# Altium PCB EVK-NORA-W1.PcbDoc (part 2 of 4)
Units mil, origin at the board's own origin, x right, y up, seen from the top; angles counter-clockwise.
Board outline 4300 x 2200 mil, 4 copper layers (L1, L2, L3, L4), stack 60.631 mil thick; 303 components, 180 nets, 998 pads, 676 vias.
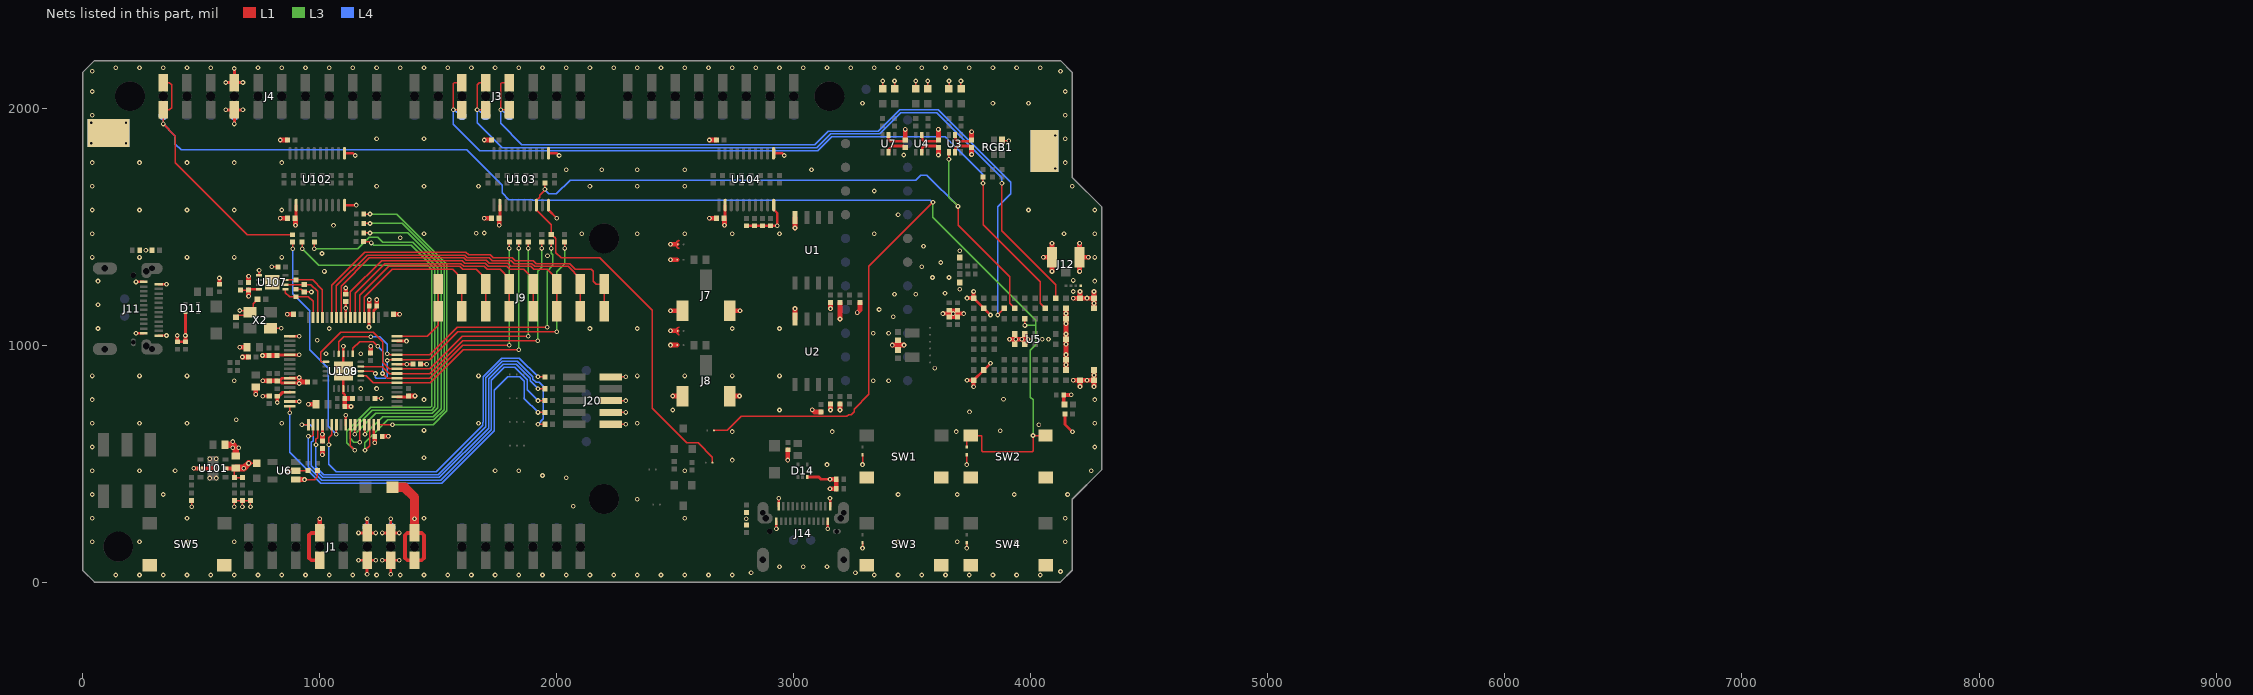
[diagram p4: the nets of this part, all layers, seen from the top]

## Part data
C1 C2 C3 C5 C7 C10 C12 C13 C14 C15 C17 C19 C20 C21 C22 C23 C24 C25 C26 C27 C28 C29 C33 C34 C35 C39 C40 C41 C46 C50 C60 C61: library part 120-00016, "Cap, Ceramic 0.1uF 10V 10% X5R 0402", Manufacturer="Murata Electronics North America", Manufacturer 2=Yageo, Manufacturer P/N=GRM155R61A104KA01J, Manufacturer P/N 2=CC0402KRX5R6BB104, Part Name="CAP CER 0.1UF 10V 10% X5R 0402", Supplier Part Number 1=490-6297-1-ND, Temperature Coefficient=X5R, Tolerance="+/- 10%", Voltage=10V, Arena Link=https://app.bom.com/a/GYHPV2L2L43KRMBK?v=spec.summary, Component Mounting Type=SMT, Height=0.55mm, Item_Phase=Production, Part_Type="Ceramic Capacitor", Part Number=120-00016, Pins=2, Revision=0A, Size=0402, Supplier 1=Digi-Key, Supplier 2=Digi-Key, Supplier Part Number 2=311-1336-1-ND, Use in new designs=Yes
C4 C6 C30 C31 C32 C38 C45 C47: library part UBXH01-0000243, "CAP CER X5R 0402 4U7 20% 10V", Manufacturer="Murata Manufacturing Company, Ltd.", Manufacturer P/N=GRM155R61A475MEAA, Max Operating Temp=85°C, Max Voltage=10V, Min Operating Temp=-40°C, Tolerance=20%, Editor=martin.pilik, Env=GREEN, Mfg P/N Datasheet=https://wiki.u-blox.com/bin/view/Generic/Docs/DocumentSummary?index=24302, Mfg P/N Released=Yes, Mfg P/N Split=100, Mfg P/N Status=Active, Part Number=UBXH01-0000243, Part Type=Capacitor, Perferred=PREF, Permitted Use="Volume Products", RefDes=C, Release Data="2021-05-10 12:57:47.325652", Released by=fabrice.bret-dibat, Size=0402, UBX Wiki=https://wiki.u-blox.com/bin/view/Operations/PartDetails?index=24303
C8 C11 C36 C37: library part UBXH01-0004017, "CAP CER C0G 0402 18P 5% 25V", Manufacturer="Murata Manufacturing Company, Ltd.", Manufacturer P/N=GRM1555C1H180JA01, Manufacturer P/N 2=GRM1555C1E180JZ01, Manufacturer P/N 3=GRM1555C1H180JZ01, Max Operating Temp=125°C, Max Voltage=25V, Min Operating Temp=-55°C, Tolerance=5%, Editor=doris.zahnd, Env=ROHS, Manufacturer 2="Murata Manufacturing Company, Ltd.", Manufacturer 3="Murata Manufacturing Company, Ltd.", Mfg P/N Released=Yes, Mfg P/N Released 2=Yes, Mfg P/N Released 3=Yes, Mfg P/N Split=100, Mfg P/N Split 2=0, Mfg P/N Split 3=0, Mfg P/N Status=NRND, Mfg P/N Status 2=Obsolete, Mfg P/N Status 3=Obsolete, Part Number=UBXH01-0004017, Part Type=Capacitor, Perferred=PREF, Permitted Use="Volume Products", RefDes=C, Release Data="2009-12-03 17:48:42.813059", Released by=daniel.hurni, Size=0402, UBX Wiki=https://wiki.u-blox.com/bin/view/Operations/PartDetails?index=5178
C9: library part UBXH01-0023025, "CAP CER X7R 0402 10N 10% 16V", Manufacturer="Murata Manufacturing Company, Ltd.", Manufacturer 2="Samsung Electro-Mechanics", Manufacturer P/N=GRM155R71C103KA01, Manufacturer P/N 2=CL05B103KO5NNNC, Max Operating Temp=125°C, Max Voltage=16V, Min Operating Temp=-55°C, Tolerance=10%, Editor=roland.rust, Env=ROHS, Mfg P/N Datasheet 2=https://wiki.u-blox.com/bin/view/Generic/Docs/DocumentSummary?index=28567, Mfg P/N Released=Yes, Mfg P/N Released 2=Yes, Mfg P/N Split=100, Mfg P/N Split 2=0, Mfg P/N Status=NRND, Mfg P/N Status 2=Active, Part Number=UBXH01-0023025, Part Type=Capacitor, Perferred=PREF, Permitted Use="Volume Products", RefDes=C, Release Data="2021-02-16 13:14:11.218378", Released by=anthony.gergis, Size=0402, UBX Wiki=https://wiki.u-blox.com/bin/view/Operations/PartDetails?index=5491
C16 C18: library part UBXH01-0000310, "CAP CER X7R 0603 10U 20% 10V", Manufacturer="Murata Manufacturing Company, Ltd.", Manufacturer P/N=GRM188Z71A106MA73, Manufacturer P/N 2=GRM188Z71A106KA73, Max Operating Temp=125°C, Max Voltage=10V, Min Operating Temp=-55°C, Tolerance=20%, Editor=michael.hein, Env=ROHS, Manufacturer 2="Murata Manufacturing Company, Ltd.", Mfg P/N Datasheet=https://wiki.u-blox.com/bin/view/Generic/Docs/DocumentSummary?index=26282, Mfg P/N Datasheet 2=https://wiki.u-blox.com/bin/view/Generic/Docs/DocumentSummary?index=28416, Mfg P/N Released=Yes, Mfg P/N Released 2=Yes, Mfg P/N Split=100, Mfg P/N Split 2=0, Mfg P/N Status=Active, Mfg P/N Status 2=Active, Part Number=UBXH01-0000310, Part Type=Capacitor, Perferred=PREF, Permitted Use="Volume Products", RefDes=C, Release Data="2017-02-09 11:14:05.871832", Released by=martin.grasse, Size=0603, UBX Wiki=https://wiki.u-blox.com/bin/view/Operations/PartDetails?index=26280
C42: library part UBXH01-0012002, "CAP CER C0G 0201 1P5 +/-0.25P 25V", Manufacturer="Murata Manufacturing Company, Ltd.", Manufacturer P/N=GRM0335C1E1R5CA01, Manufacturer P/N 2=GRM0335C1E1R5C, Max Voltage=25V, Tolerance=+/-0.25P, Editor=roland.rust, Env=ROHS, Manufacturer 2="Murata Manufacturing Company, Ltd.", Mfg P/N Released=Yes, Mfg P/N Released 2=Obsolete, Mfg P/N Split=100, Mfg P/N Split 2=0, Mfg P/N Status=Active, Mfg P/N Status 2=Active, Part Number=UBXH01-0012002, Part Type=Capacitor, Perferred=PREF, Permitted Use="Volume Products", RefDes=C, Release Data=2009-03-23T10:34:14, Released by=roland.rust, Size=0201, UBX Wiki=https://wiki.u-blox.com/bin/view/Operations/PartDetails?index=5072
C43 C44: library part UBXH01-0004011, "CAP CER C0G 0402 5P6 +/-0.25P 25V", Manufacturer="Murata Manufacturing Company, Ltd.", Manufacturer P/N=GRM1555C1H5R6CZ01, Manufacturer P/N 2=GRM1555C1E5R6CZ01, Max Voltage=25V, Tolerance=+/-0.25P, Editor=roland.rust, Env=ROHS, Manufacturer 2="Murata Manufacturing Company, Ltd.", Mfg P/N Released=Obsolete, Mfg P/N Released 2=Obsolete, Mfg P/N Split=0, Mfg P/N Split 2=0, Mfg P/N Status=Obsolete, Mfg P/N Status 2=Obsolete, Part Number=UBXH01-0004011, Part Type=Capacitor, Perferred=PREF, Permitted Use="Volume Products", RefDes=C, Release Data=2007-10-22T12:46:36, Released by=roland.rust, Size=0402, UBX Wiki=https://wiki.u-blox.com/bin/view/Operations/PartDetails?index=5160
D1 D2 D3: "Diode, Schottky, 20V 1A SOD-123F, 340mV Vf @ 1A / MBR120VLSFT3G", Current=1A, Manufacturer 1="ON Semiconductor", Manufacturer 2=None, Manufacturer Part Number 1=MBR120VLSFT3G, Max Operating Temp=125, MFG Package=SOD-123FL, Min Operating Temp=-65, Part Name="Diode Schottky 20V 1A SOD-123FL", Supplier Part Number 1=MBR120VLSFT3GOSCT-ND, Voltage=20V, Body Size=None, Height=0.98mm, Item Phase="In Production", Manufacturer Part Number 2=None, Part Number=110-00005, Pins=2, Revision=0B, Supplier 1=Digi-Key, Supplier 2=None, Supplier Part Number 2=None, UBX Code=None, Use in new designs=Yes
D4 D5 D6 D7 D8 D9 D10: "LED CHIP 0603 LOW CURRENT OSRAM 0.002A GREEN 2.2V 2mA", Manufacturer=Osram, Manufacturer P/N="LG L29K-G2J1-24", Max Current=2mA, Max Operating Temp=85°C, Max Voltage=2.2V, Min Operating Temp=-40°C, Editor=johann.furrer, Env=ROHS, Mfg P/N Datasheet=https://wiki.u-blox.com/bin/view/Generic/Docs/DocumentSummary?index=20620, Mfg P/N Released=Yes, Mfg P/N Split=100, Mfg P/N Status=Active, Part Number=UBXH11-0000018, Part Type=LED, Perferred=PREF, Permitted Use="Volume Products", RefDes=DS, Release Data="2018-01-09 15:31:38.754561", Released by=martin.grasse, Size=0603, UBX Wiki=https://wiki.u-blox.com/bin/view/Operations/PartDetails?index=20619
D11 D14: "LOW-CAPACITANCE 3-CHANNEL ESD-PROTECTION ARRAY", Manufacturer="Texas Instruments", Manufacturer P/N=TPD3E001DRLR, MFG Package=SOT-553, Package Type=SOT, Part Name="TVS Diode, 3CH High Speed ESD", Supplier Part Number 1=296-21885-1-ND, Voltage=5V, Arena Link=https://app.bom.com/a/UCV39GZGZIHX50AE?v=spec.summary, Body Size="1.6mm x 1.2mm", Component Mounting Type=SMT, Diode Type=TVS, Height=.55mm, Item_Phase=Production, Part_Type=Diode, Part Number=110-00018, Pins=5, Revision=0A, Supplier 1=Digi-Key, Use in new designs=Yes
D21 D22 D23 D24: "ESD9B3.3ST5G", Manufacturer="ON Semiconductor", MFG Package=SOD-923, Package Type=SOD, Part Name="Diode TVS 3.3V SOD-923", Supplier Part Number 1=ESD9B3.3ST5GOSCT-ND, Voltage=3.3V, Arena Link=https://app.bom.com/a/4M5DJQ9Q9SR7DV4H?v=spec.summary, Body Size="0.8mm x 0.6mm", Component Mounting Type=SMT, Diode Type=TVS, Height=0.4mm, Item_Phase=Preliminary, Manufacturer P/N=ESD9B3.3ST5G, Part_Type=Diode, Part Number=110-00019, Pins=2, Supplier 1=Digi-Key, Use in new designs=Yes
F1 F2 F3 F4 F5: "FERRITE BEAD 0603 600 OHM AT 100MHZ 600OHM 500mA", Manufacturer="TDK Corporation", Manufacturer P/N=MMZ1608B601C, Max Current=500mA, Max Operating Temp=125°C, Min Operating Temp=-40°C, Editor=daniel.hurni, Env=ROHS, Mfg P/N Datasheet=https://wiki.u-blox.com/bin/view/Generic/Docs/DocumentSummary?index=7941, Mfg P/N Released=Yes, Mfg P/N Split=100, Mfg P/N Status=Active, Part Number=UBXH08-0000001, Part Type=Ferrite, Perferred=PREF, Permitted Use="Support Products", RefDes=FB, Release Data="2009-12-02 10:18:36.177919", Released by=martin.frauchiger, Size=0603, UBX Wiki=https://wiki.u-blox.com/bin/view/Operations/PartDetails?index=7960
FID1 FID2 FID3 FID4 FID5 FID6: library part FIDUCIAL.04, "Fiducial, 0.040\" inner Dia, 0.075\" outer Dia", Added By="Jeremy D", Added Date=2/1/2015, Checked By="Paul B", Checked Date=2/5/2015, DNP=DNP, Height=0, Part Number=FIDUCIAL.04, Size="0.040\""
J1 J3 J5 J9: "Socket Strip 0.1\" 8 Pin 1Row SMD Black", Manufacturer 1="Seeed Technology", Manufacturer 2=Samtec, Manufacturer Part Number 1="Rigado 130-00102", Manufacturer Part Number 2=SSM-108-F-SV-P-TR, Max Operating Temp=105, Min Operating Temp=-55, Part Name="CON SKT Strip 0.1\" 8Pin 1Row SMD Black", Voltage=572VDC, Diameter=None, Height=7.37mm, Item Phase="In Production", Part Number=130-00102, Pins=8, Revision=0C, Supplier 1="Seeed Technology", Supplier 2=Avnet, Supplier Part Number 1="Rigado 130-00102", Supplier Part Number 2=SSM-108-F-SV-P-TR, UBX Code=None, Use in new designs=Yes
J2: "Socket Strip 0.1\" 6Pin 1Row SMD Black", Manufacturer 1="Seeed Technology", Manufacturer 2=Samtec, Manufacturer Part Number 1="Rigado 130-00103", Manufacturer Part Number 2=SSM-106-F-SV-P-TR, Max Operating Temp=105, Min Operating Temp=-55, Part Name="CON SKT Strip 0.1\" 6Pin 1Row SMD Black", Voltage=572VDC, Diameter=None, Height=7.37mm, Item Phase="In Production", Part Number=130-00103, Pins=6, Revision=0C, Supplier 1="Seeed Technology", Supplier 2=Avnet, Supplier Part Number 1="Rigado 130-00103", Supplier Part Number 2=SSM-106-F-SV-P-TR, UBX Code=None, Use in new designs=Yes
J4: "Socket Strip 0.1\" 10Pin 1Row SMD Black", Manufacturer 1="Seeed Technology", Manufacturer 2=Samtec, Manufacturer Part Number 1="Rigado 130-00101", Manufacturer Part Number 2=SSM-110-F-SV-P-TR, Max Operating Temp=105, Min Operating Temp=-55, Part Name="CON SKT Strip 0.1\" 10Pin 1Row SMD Black", Voltage=572VDC, Diameter=None, Height=7.37mm, Item Phase="In Production", Part Number=130-00101, Pins=10, Revision=0C, Supplier 1="Seeed Technology", Supplier 2=Avnet, Supplier Part Number 1="Rigado 130-00101", Supplier Part Number 2=SSM-110-F-SV-P-TR, UBX Code=None, Use in new designs=Yes
J7 J8: "Header, 0.100\" Pitch, 3 Pin, Vertical SMT", Color=Black, Manufacturer="Harwin Inc", Manufacturer P/N=M20-8770342, Part Name="CON HDR 0.1\" 3 Pin SMT", Supplier Part Number 1=952-1951-ND, Arena Link=https://app.bom.com/a/BTCKQXGXGZYCIWHE?v=spec.summary, Component Mounting Type=SMT, Connector Type=Header, Height=9.93mm, Item_Phase=Preliminary, Keyed=No, Length=7.62mm, Locking=No, Part_Type=Connector, Part Number=130-00105, Pin Pitch="0.100\"", Pins=3, Rows=1, Supplier 1=Digi-Key, Use in new designs=Yes, Width=5.08mm
J11 J14: "Connector, USB-C Receptacle, 24 Position, Surface Mount, Right Angle, Horizontal, 20V", Manufacturer 1="JAE Electronics", Manufacturer 2=None, Manufacturer Part Number 1=DX07S024JJ3R1300, Max Operating Temp=80, Min Operating Temp=-30, Part Name="CON USB C 0.5 mm 24 Pin 2 Row Right Angle White", Supplier Part Number 1=670-2846-1-ND, Voltage=20V, Diameter=None, Height=3.29mm, Item Phase=Unreleased, Manufacturer Part Number 2=None, Part Number=130-00150, Pins=24, Revision=None, Supplier 1=Digi-Key, Supplier 2=None, Supplier Part Number 2=None, UBX Code=None, Use in new designs=Yes
J12: "U.FL jack, SMA 50 ohm, 3 pin, SMT", Color=Silver, Manufacturer="Cinch Connectivity", Manufacturer 2="Hirose Electric Co Ltd", Manufacturer P/N=128-0711-201, Manufacturer P/N 2=U.FL-R-SMT(10), Part Name="CON RF UMC U.FL Jack 3Pin SMT", Supplier Part Number 1=J983CT-ND, Arena Link=https://app.bom.com/a/7P8GMTCTCVUARF2N?v=spec.summary, Component Mounting Type=SMT, Connector Type=Coax, Height=1.25mm, Item_Phase=Production, Length=3mm, Locking=Yes, Part Number=130-00067, Part_Type=Connector, Pin Pitch=N/A, Pins=3, Revision=0A, Rows=1, Supplier 1=Digi-Key, Supplier 2=Digi-Key, Supplier Part Number 2=H9161CT-ND, Use in new designs=Yes, Width=3.1mm
J15 J16 J17 J18 J19 J21: library part Solderbridge-Option, "Solderbridge-Option", Added By="Paul B", Added Date=12/3/2015, DNP=DNP, Height=0, Part Number=Solderbridge-Option
J20: "Header 0.05\" 10Pin 2Row SMD Black", Color=Black, Manufacturer=Samtec, Manufacturer P/N=FTSH-105-01-F-DV-K, Part Name="CON HDR 0.05\" 10Pin 2Row SMD Black", Supplier Part Number 1=SAM8796-ND, Arena Link=https://app.bom.com/a/5N6EKRARATS7TSHL?v=spec.summary, Component Mounting Type=SMT, Connector Type=Header, Height=6mm, Item_Phase=Pre-Production, Keyed=Yes, Length=12.75mm, Locking=No, Part_Type=Connector, Part Number=130-00099, Pin Pitch="0.050\"", Pins=10, Revision=1, Rows=2, Supplier 1=Digi-Key, Use in new designs=Yes, Width=4.78
JIO JMOD: library part Solderbridge-Open, "Solderbridge-Open", Added By="Paul B", Added Date=12/2/2015, DNP=DNP, Height=0, Part Number=Solderbridge-Open
JRIO JRMOD JRMOD1 JRMOD2 JRMOD3 JRMOD4: library part Solderbridge-Short, "Solderbridge-Short", Added By="Paul B", Added Date=12/2/2015, DNP=DNP, Height=0, Part Number=Solderbridge-Short
L1: library part UBXH09-0000030, "IND MURATA LQP03T_02 0201 1N5 +/-0.1N 600mA", Manufacturer="Murata Manufacturing Company, Ltd.", Manufacturer P/N=LQP03TN1N5B02, Max Current=600mA, Tolerance=+/-0.1N, Editor=massimo.pros, Env=ROHS, Mfg P/N Datasheet=https://wiki.u-blox.com/bin/view/Generic/Docs/DocumentSummary?index=11499, Mfg P/N Released=Yes, Mfg P/N Split=100, Mfg P/N Status=Active, Part Number=UBXH09-0000030, Part Type=Inductor, Perferred=PREF, Permitted Use="Volume Products", RefDes=L, Release Data=2011-06-21T11:29:10, Released by=massimo.vlacci, Size=0201, UBX Wiki=https://wiki.u-blox.com/bin/view/Operations/PartDetails?index=13044
Q1 Q2: "GENERAL PURPOSE SINGLE NPN TRANSISTOR SOT-23 45V 800mA", Manufacturer="ON Semiconductor", Manufacturer P/N=BCW66GLT3G, Max Current=800mA, Max Operating Temp=155°C, Max Voltage=45V, Min Operating Temp=-55°C, Editor=jaakko.jussila, Env=ROHS, Mfg P/N Datasheet=https://wiki.u-blox.com/bin/view/Generic/Docs/DocumentSummary?index=26837, Mfg P/N Released=Yes, Mfg P/N Split=100, Mfg P/N Status=Active, Part Number=UBXH20-0000052, Part Type=Transistor, Perferred=PREF, Permitted Use="Support Products", RefDes=Q, Release Data=2019-05-06T10:58:51, Released by=alex.claville, UBX Wiki=https://wiki.u-blox.com/bin/view/Operations/PartDetails?index=26834
R1 R2 R3 R4 R81 R82 R83: library part UBXH18-0008097, "RES THICK FILM CHIP 0402 100K 5% 100mW", Manufacturer=YAGEO, Manufacturer 2=KOA, Manufacturer P/N=2322_705_70104_L, Manufacturer P/N 2=RK73B1ETTD104J, Max Power=100mW, Tolerance=5%, Editor=roland.rust, Env=ROHS, Mfg P/N Released=Yes, Mfg P/N Released 2=Yes, Mfg P/N Split=100, Mfg P/N Split 2=0, Mfg P/N Status=NRND, Mfg P/N Status 2=NRND, Part Number=UBXH18-0008097, Part Type=Resistor, Perferred=PREF, Permitted Use="Volume Products", RefDes=R, Release Data="2005-07-22 13:59:44", Released by=roland.rust, Size=0402, UBX Wiki=https://wiki.u-blox.com/bin/view/Operations/PartDetails?index=7020
R5 R6 R7 R8 R9 R10 R11 R12 R13 R14 R15 R16 R17 R26 R27 R37 R39 R40 R43 R44 R45 R47 R48 R49 R50 R51 R52 R53 R54 R55 R56 R57 R58 R59 R60 R61 R63 R64 R65 R66 R67 R68 R69 R70 R71: library part UBXH18-0003002, "RES THICK FILM CHIP 0402 0R 0 100mW", Manufacturer=KOA, Manufacturer 2=YAGEO, Manufacturer P/N=RK73Z1ETTD, Manufacturer P/N 2=2322_705_91001_L, Max Power=100mW, Tolerance=0, Editor=charlotte.biber, Env=ROHS, Mfg P/N Released=Yes, Mfg P/N Released 2=Yes, Mfg P/N Split=100, Mfg P/N Split 2=0, Mfg P/N Status=NRND, Mfg P/N Status 2=NRND, Part Number=UBXH18-0003002, Part Type=Resistor, Perferred=PREF, Permitted Use="Volume Products", RefDes=R, Release Data="2012-06-05 09:49:55.978616", Released by=peter.mueller, Size=0402, UBX Wiki=https://wiki.u-blox.com/bin/view/Operations/PartDetails?index=6611
R20 R22 R23 R29 R30 R32: library part UBXH18-0008049, "RES THICK FILM CHIP 0402 1K0 5% 100mW", Manufacturer=YAGEO, Manufacturer 2=KOA, Manufacturer P/N=2322_705_70102_L, Manufacturer P/N 2=RK73B1ETTD102J, Max Power=100mW, Tolerance=5%, Editor=roland.rust, Env=ROHS, Mfg P/N Released=Yes, Mfg P/N Released 2=Yes, Mfg P/N Split=100, Mfg P/N Split 2=0, Mfg P/N Status=NRND, Mfg P/N Status 2=NRND, Part Number=UBXH18-0008049, Part Type=Resistor, Perferred=PREF, Permitted Use="Volume Products", RefDes=R, Release Data="2005-07-22 13:59:44", Released by=roland.rust, Size=0402, UBX Wiki=https://wiki.u-blox.com/bin/view/Operations/PartDetails?index=6939
R24 R28: library part 180-00125, "Resistor, 27ohm, 1%, 1/16W, 0402", Manufacturer="Panasonic Electronic Components", Manufacturer 2="Samsung Electro-Mechanics America, Inc", Manufacturer P/N=ERJ-2RKF27R0X, Manufacturer P/N 2=RC1005F270CS, Part Name="RES SMD 27 OHM 1% 1/16W 0402", Power=1/16W, Supplier Part Number 1=P27.0LCT-ND, Tolerance="+/- 1%", Alternate Footprint Ref="RES 0402", Arena Link=https://app.bom.com/a/O6PX3ATATCBPKZ3N?v=spec.summary, Component Mounting Type=SMT, Height=0.4mm, Item_Phase=Production, Part Number=180-00125, Part_Type=Resistor, Pins=2, Revision=0C, Size=0402, Supplier 1=Digi-Key, Supplier 2=Digi-Key, Supplier Part Number 2=1276-3907-1-ND, Use in new designs=Yes
R35 R62: library part 180-00024, "Resistor 10k ohm 1% 1/16W, 0402", Manufacturer="Rohm Semiconductor", Manufacturer 2="Samsung Electro-Mechanics America, Inc", Manufacturer P/N=MCR01MRTF1002, Manufacturer P/N 2=RC1005F103CS, Part Name="RES SMD 10K OHM 1% 1/16W 0402", Power=1/16W, Supplier Part Number 1=RHM10.0KCDCT-ND, Tolerance="+/- 1%", Voltage=N/A, Arena Link=https://app.bom.com/a/0I19FM5M5ON4B4RQ?v=spec.summary, Component Mounting Type=SMT, Height=0.4mm, Item_Phase=Production, Part_Type=Resistor, Part Number=180-00024, Pins=2, Revision=0A, Size=0402, Supplier 1=Digi-Key, Use in new designs=Yes
R38: library part UBXH18-0000138, "RES THICK FILM CHIP 0402 8K2 1% 63mW", Manufacturer=Vishay, Manufacturer P/N=CRCW04028K20FKED, Max Operating Temp=125°C, Max Power=63mW, Min Operating Temp=-55°C, Tolerance=1%, Editor=matej.budin, Env=ROHS, Mfg P/N Datasheet=https://wiki.u-blox.com/bin/view/Generic/Docs/DocumentSummary?index=21077, Mfg P/N Released=Yes, Mfg P/N Split=100, Mfg P/N Status=Active, Part Number=UBXH18-0000138, Part Type=Resistor, Perferred=PREF, Permitted Use="Support Products", RefDes=R, Release Data="2014-08-26 11:33:33.796911", Released by=pasquale.scorca, Size=0402, UBX Wiki=https://wiki.u-blox.com/bin/view/Operations/PartDetails?index=21078
R41 R42: library part UBXH18-0000065, "RES THICK FILM CHIP 0402 10K 1% 63mW", Manufacturer=KOA, Manufacturer P/N=RK73H1ETTP1002F, Max Power=63mW, Tolerance=1%, Editor=erian.bezhani, Env=ROHS, Mfg P/N Datasheet=https://wiki.u-blox.com/bin/view/Generic/Docs/DocumentSummary?index=8222, Mfg P/N Released=Yes, Mfg P/N Split=100, Mfg P/N Status=Active, Part Number=UBXH18-0000065, Part Type=Resistor, Perferred=PREF, Permitted Use="Volume Products", RefDes=R, Release Data="2012-06-08 18:02:21.521517", Released by=massimo.vlacci, Size=0402, UBX Wiki=https://wiki.u-blox.com/bin/view/Operations/PartDetails?index=16837
R46 R94 R95 R96: library part UBXH18-0008066, "RES THICK FILM CHIP 0402 5K1 5% 100mW", Manufacturer=Panasonic, Manufacturer P/N=ERJ-2GEJ512X, Max Power=100mW, Tolerance=5%, Editor=alvaro.nussbaum, Env=ROHS, Mfg P/N Released=No, Mfg P/N Split=100, Mfg P/N Status=Active, Part Number=UBXH18-0008066, Part Type=Resistor, Perferred=NONPREF, Permitted Use="Internal Use", RefDes=R, Release Data=2016-02-11T15:22:01, Released by=roland.rust, Size=0402, UBX Wiki=https://wiki.u-blox.com/bin/view/Operations/PartDetails?index=6972
R72 R73 R74 R75 R76 R78 R80 R93: library part UBXH18-0008041, "RES THICK FILM CHIP 0402 470R 5% 100mW", Manufacturer=ROHM, Manufacturer 2=KOA, Manufacturer 3=YAGEO, Manufacturer P/N=MCR01MZPJ471, Manufacturer P/N 2=RK73B1ETTP471J, Manufacturer P/N 3=2322_705_87471_L, Max Power=100mW, Tolerance=5%, Editor=roland.rust, Env=ROHS, Mfg P/N Released=Yes, Mfg P/N Released 2=Yes, Mfg P/N Released 3=Yes, Mfg P/N Split=100, Mfg P/N Split 2=0, Mfg P/N Split 3=0, Mfg P/N Status=Active, Mfg P/N Status 2=Active, Mfg P/N Status 3=NRND, Part Number=UBXH18-0008041, Part Type=Resistor, Perferred=PREF, Permitted Use="Volume Products", RefDes=R, Release Data="2009-04-24 14:36:39", Released by=roland.rust, Size=0402, UBX Wiki=https://wiki.u-blox.com/bin/view/Operations/PartDetails?index=6926
R77: library part UBXH18-0008046, "RES THICK FILM CHIP 0402 750R 5% 100mW", Manufacturer=Panasonic, Manufacturer P/N=ERJ2GEJ751X, Max Power=100mW, Tolerance=5%, Editor=jaka.bevk, Env=ROHS, Mfg P/N Datasheet=https://wiki.u-blox.com/bin/view/Generic/Docs/DocumentSummary?index=21267, Mfg P/N Released=Yes, Mfg P/N Split=100, Mfg P/N Status=Active, Part Number=UBXH18-0008046, Part Type=Resistor, Perferred=PREF, Permitted Use="Volume Products", RefDes=R, Release Data="2014-10-03 09:31:33.687559", Released by=erian.bezhani, Size=0402, UBX Wiki=https://wiki.u-blox.com/bin/view/Operations/PartDetails?index=6935
R79: library part UBXH18-0000216, "RES THICK FILM CHIP 0402 360R 1% 63mW", Manufacturer=KOA, Manufacturer P/N=RK73H1ETTP3600F, Max Power=63mW, Tolerance=1%, Automotive=Yes, Editor=michael.hein, Env=ROHS, Mfg P/N Datasheet=https://wiki.u-blox.com/bin/view/Generic/Docs/DocumentSummary?index=8222, Mfg P/N Released=Yes, Mfg P/N Split=100, Mfg P/N Status=Active, Part Number=UBXH18-0000216, Part Type=Resistor, Perferred=PREF, Permitted Use="Volume Products", RefDes=R, Release Data="2015-10-02 11:55:45.476057", Released by=vasyl.dykyy, Size=0402, UBX Wiki=https://wiki.u-blox.com/bin/view/Operations/PartDetails?index=23306
R84: library part UBXH18-0000137, "RES THICK FILM CHIP 0402 12K 1% 63mW", Manufacturer=Vishay, Manufacturer P/N=CRCW040212K0FKED, Max Operating Temp=125°C, Max Power=63mW, Min Operating Temp=-55°C, Tolerance=1%, Editor=matej.budin, Env=ROHS, Mfg P/N Datasheet=https://wiki.u-blox.com/bin/view/Generic/Docs/DocumentSummary?index=21077, Mfg P/N Released=Yes, Mfg P/N Split=100, Mfg P/N Status=Active, Part Number=UBXH18-0000137, Part Type=Resistor, Perferred=PREF, Permitted Use="Support Products", RefDes=R, Release Data="2014-08-26 10:20:00.142219", Released by=gabriele.capello, Size=0402, UBX Wiki=https://wiki.u-blox.com/bin/view/Operations/PartDetails?index=21075
R85 R90: library part UBXH18-0008057, "RES THICK FILM CHIP 0402 2K2 5% 100mW", Manufacturer=YAGEO, Manufacturer P/N=2322_705_87222_L, Manufacturer P/N 2=RC0402JR-072K2L, Max Power=100mW, Tolerance=5%, Editor=roland.rust, Env=ROHS, Manufacturer 2=YAGEO, Mfg P/N Datasheet 2=https://wiki.u-blox.com/bin/view/Generic/Docs/DocumentSummary?index=8163, Mfg P/N Released=Yes, Mfg P/N Released 2=Yes, Mfg P/N Split=100, Mfg P/N Split 2=0, Mfg P/N Status=NRND, Mfg P/N Status 2=Active, Part Number=UBXH18-0008057, Part Type=Resistor, Perferred=PREF, Permitted Use="Volume Products", RefDes=R, Release Data="2007-02-09 10:46:57", Released by=roland.rust, Size=0402, UBX Wiki=https://wiki.u-blox.com/bin/view/Operations/PartDetails?index=6956
R86 R87 R88 R89 R92: library part UBXH18-0008073, "RES THICK FILM CHIP 0402 10K 5% 100mW", Manufacturer=KOA, Manufacturer 2=YAGEO, Manufacturer P/N=RK73B1ETTD103J, Manufacturer P/N 2=RC0402JR-0710KL, Manufacturer P/N 3=2322_705_87103_L, Max Power=100mW, Tolerance=5%, Editor=martin.frauchiger, Env=ROHS, Manufacturer 3=YAGEO, Mfg P/N Released=Yes, Mfg P/N Released 2=No, Mfg P/N Released 3=Yes, Mfg P/N Split=100, Mfg P/N Split 2=0, Mfg P/N Split 3=0, Mfg P/N Status=NRND, Mfg P/N Status 2=Active, Mfg P/N Status 3=NRND, Part Number=UBXH18-0008073, Part Type=Resistor, Perferred=PREF, Permitted Use="Volume Products", RefDes=R, Release Data="2005-08-19 10:42:45", Released by=martin.frauchiger, Size=0402, UBX Wiki=https://wiki.u-blox.com/bin/view/Operations/PartDetails?index=6981
R91: library part UBXH18-0008065, "RES THICK FILM CHIP 0402 4K7 5% 100mW", Manufacturer=YAGEO, Manufacturer 2=KOA, Manufacturer P/N=2322_705_70472_L, Manufacturer P/N 2=RK73B1ETTD472J, Max Power=100mW, Tolerance=5%, Editor=martin.frauchiger, Env=ROHS, Mfg P/N Released=Yes, Mfg P/N Released 2=Yes, Mfg P/N Split=100, Mfg P/N Split 2=0, Mfg P/N Status=NRND, Mfg P/N Status 2=NRND, Part Number=UBXH18-0008065, Part Type=Resistor, Perferred=PREF, Permitted Use="Volume Products", RefDes=R, Release Data="2005-08-19 10:42:45", Released by=martin.frauchiger, Size=0402, UBX Wiki=https://wiki.u-blox.com/bin/view/Operations/PartDetails?index=6969
R97 R98: library part 180-00024, "Resistor 10k ohm 1% 1/16W, 0402", Manufacturer 1="Samsung Electro-Mechanics America, Inc", Manufacturer 2="Hong Kong Resistors Manufactory", Manufacturer Part Number 1=RC1005F103CS, Manufacturer Part Number 2=RCT0210KFLF, Max Operating Temp=155, Min Operating Temp=-55, Part Name="RES SMD 10K OHM 1% 1/16W 0402", Power=1/16W, Supplier Part Number 1=1276-3431-1-ND, Tolerance="+/- 1%", Voltage=N/A, Height=0.4mm, Item Phase="In Production", Part Number=180-00024, Pins=2, Revision=0E, Size=0402, Supplier 1=Digi-Key, Supplier 2=None, Supplier Part Number 2=None, UBX Code=None, Use in new designs=Yes
RGB1: "LED RGB SMT 0606", Current=20mA, Manufacturer 1="Lite-On Inc", Manufacturer Part Number 1=LTST-C19HE1WT, Max Operating Temp=80, MFG Package=0606, Min Operating Temp=-20, Supplier Part Number 1=160-2162-1-ND, Voltage=None, Body Size="1.6mm x 1.6mm", Height=0.35mm, Item Phase="In Production", Part Name="LED RGB SMT 0606", Part Number=115-00026, Pins=4, Revision=0B, Size=Other, Supplier 1=Digi-Key, Supplier 2=Digi-Key, Supplier Part Number 2=1516-1184-1-ND, UBX Code=None, Use in new designs=Yes
RIO RMOD: library part 180-00109, "Resistor 1 ohm 1%, 1/10W, 0603", Manufacturer="Samsung Electro-Mechanics America, Inc", Manufacturer 2=Yageo, Manufacturer P/N=RC1608F1R0CS, Manufacturer P/N 2=RC0603FR-071RP, Part Name="RES SMD 1 OHM 1% 1/10W 0603", Power=1/10W, Supplier Part Number 1=1276-4471-1-ND, Tolerance="+/- 1%", Arena Link=https://app.bom.com/a/Q8RZ5CVCVEDTXJ3Q?v=spec.summary, Component Mounting Type=SMT, Height=0.55mm, Item_Phase=Preliminary, Part_Type=Resistor, Part Number=180-00109, Pins=2, Size=0603, Supplier 1=Digi-Key, Supplier 2=Digi-Key, Supplier Part Number 2=YAG1295CT-ND, Use in new designs=Yes
SW1 SW2 SW3 SW4: "Tactile Switch, SPST-NO, SMT, Actuation force = 160g, 6mm x 6mm", Current=50mA, Manufacturer="C&K Components", Manufacturer 2="Seeed Technology", Manufacturer P/N="PTS645SM43SMTR92 LFS", Manufacturer P/N 2="Rigado 135-00002", Part Name="Button Tactile SPST-NO 50mA 6mm SMT", Supplier Part Number 1=CKN9112CT-ND, Voltage=12VDC, Arena Link=https://app.bom.com/a/L3MU07Q7Q98QQQW6?v=spec.summary, Body Size="6mm x 6mm", Component Mounting Type=SMT, Height=4.4mm, Item_Phase=Production, Part Number=135-00002, Part_Type=Button, Pins=4, Revision=0B, Supplier 1=Digi-Key, Supplier 2="Seeed Technology", Supplier Part Number 2="Rigado 135-00002", Switch/Button Circuit=SPST, Switch/Button Function=Off-Mom, Use in new designs=Yes
SW5: "Tactile Switch, SPST-NO, SMT 160gf.", Current=50mA, Manufacturer="C&K Components", Manufacturer P/N="PTS645SM43SMTR92 LFS", Part Name="Button Tactile SPST-NO 50mA 6mm SMT", Supplier Part Number 1=CKN9112CT-ND, Voltage=12VDC, Arena Link=https://app.bom.com/a/L3MU07Q7Q98QQQW6?v=spec.summary, Body Size="6mm x 6mm", Component Mounting Type=SMT, Height=4.3mm, Item_Phase=Preliminary, Part_Type=Button, Part Number=135-00002, Pins=4, Supplier 1=Digi-Key, Switch/Button Circuit=SPST, Switch/Button Function=Off-Mom, Use in new designs=Yes
SW6: "SWITCH SLIDE DPDT 300MA 6V SMD", Color=Silver, Current=300mA, Manufacturer="C&K Components", Manufacturer P/N=JS202011SCQN, Supplier Part Number 1=401-2002-1-ND, Voltage=6V, Arena Link=https://app.bom.com/a/5N6EKRARATS6M48O?v=spec.summary, Component Mounting Type=SMT, Height=5.5mm, Item_Phase=Preliminary, Length=9mm, Part_Type=Switch, Part Name="SWITCH SLIDE DPDT 300MA 6V SMD", Part Number=137-00006, Pins=6, Supplier 1=Digi-Key, Switch/Button Circuit=DPDT, Switch/Button Function=On-On, Use in new designs=Yes, Width=3.6mm
TP1 TP2 TP3 TP4 TP11 TP12 TP13 TP14 TP15 TP16 TP17 TP18 TP21 TP22 TP23 TP24 TP25 TP26 TP31 TP32 TP33 TP34 TP35 TP36 TP37 TP38 TP40 TP41 TP42 TP43 TP44 TP45 TP46 TP47 TP48 TP49 TP51 TP52 TP53 TP54 TP55 TP56 TP57 TP58 TP108 TP109 TP111 TP112 TP139 TP140 TP141 TP142 TP143 TP144 TP601 TP602 TP603 TP604 TP605 TP606 TP607 TP608 TP609 TP610 TP611 TP612 TP613 TP614 TP615 TP616 TP617 TP618 TP619 TP620 TP621 TP622 TP623 TP624: library part TP10R, "Testpoint, Round 1.0mm Dia", Added By="Jeremy D", Added Date=2/1/2015, Checked By="Paul B", Checked Date=2/5/2015, DNP=DNP, Height=0, Part Number=TP10R, Size=1.0mm
TP101 TP102 TP103 TP104: library part TP4.5x3Sq, "Testpoint, Rectangular 4.5mm x 3mm", Added By="Jeremy D", Added Date=8/21/2015, DNP=DNP, Height=0, Part Number=TP4.5x3Sq, Size="4.5mm x 3mm"
U1 U2: "IC, Flash 128MBIT, 108MHz, 8SOIC", Manufacturer 1="Cypress Semiconductor Corp", Manufacturer 2=None, Manufacturer Part Number 1=S25FL127SABMFI101, Max Operating Temp=85, MFG Package=8-SOIC, Min Operating Temp=-40, Part Name="IC Flash 128MBIT 108MHz 8SOIC", Supplier Part Number 1=1274-1045-ND, Voltage=3.6V, Body Size="5.28mm x 5.28mm", Height=2.16mm, Interface=SPI, Item Phase=Unreleased, Manufacturer Part Number 2=None, Memory Size=128Mbit, Memory Speed=108MHz, Memory Type="Flash - NOR", Part Number=240-00017, Pins=8, Revision=None, SMT Pitch=1.27mm, Supplier 1=Digi-Key, Supplier 2=None, Supplier Part Number 2=None, Thermal Pad=No, UBX Code=None, Use in new designs=Yes